# Altium PCB base.PcbDoc
Units mm, origin at the board's own origin, x right, y up, seen from the top; angles counter-clockwise.
Board outline 35.56 x 44.45 mm, 4 copper layers (Top, GND, VCC, Bottom), stack 0.93 mm thick; 60 components, 99 nets, 307 pads, 179 vias.
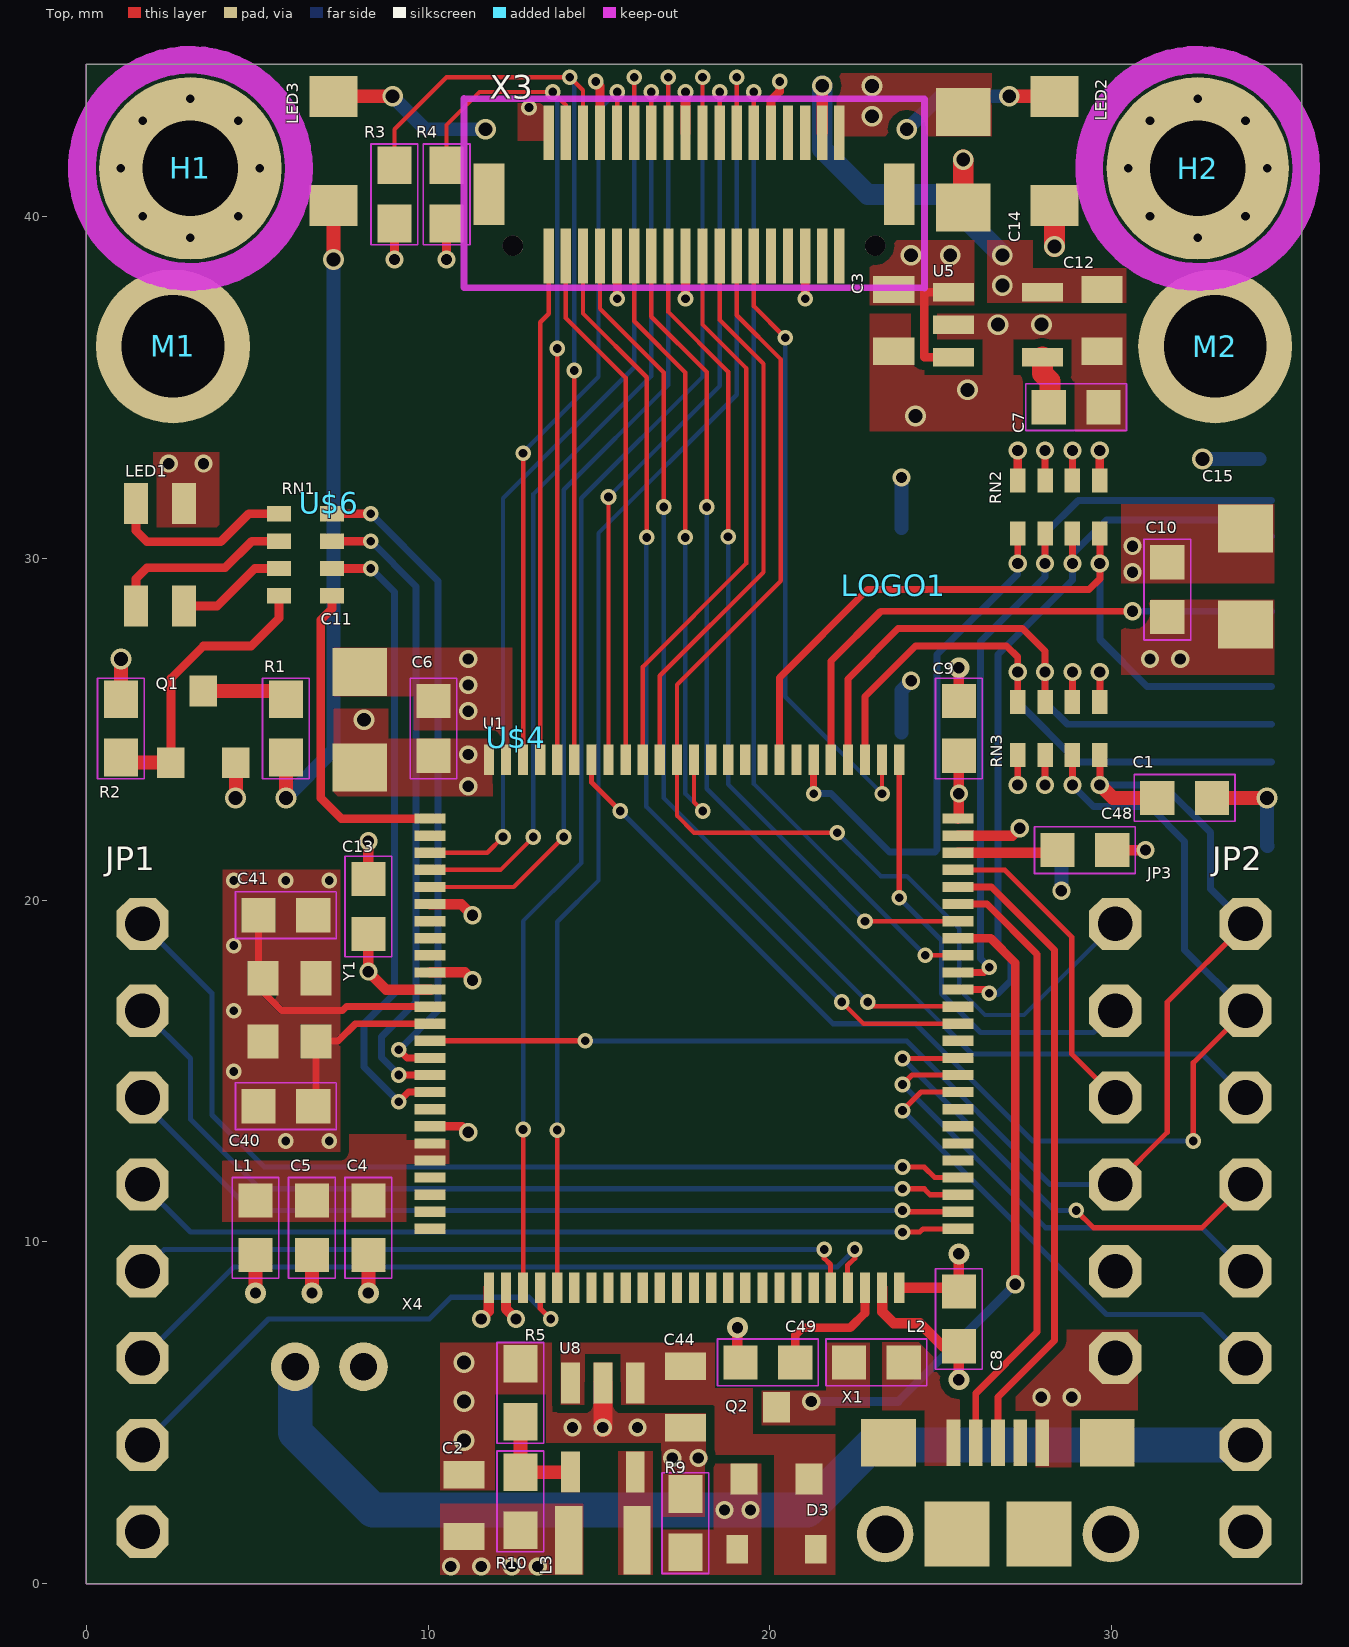
[diagram p0: Top view]
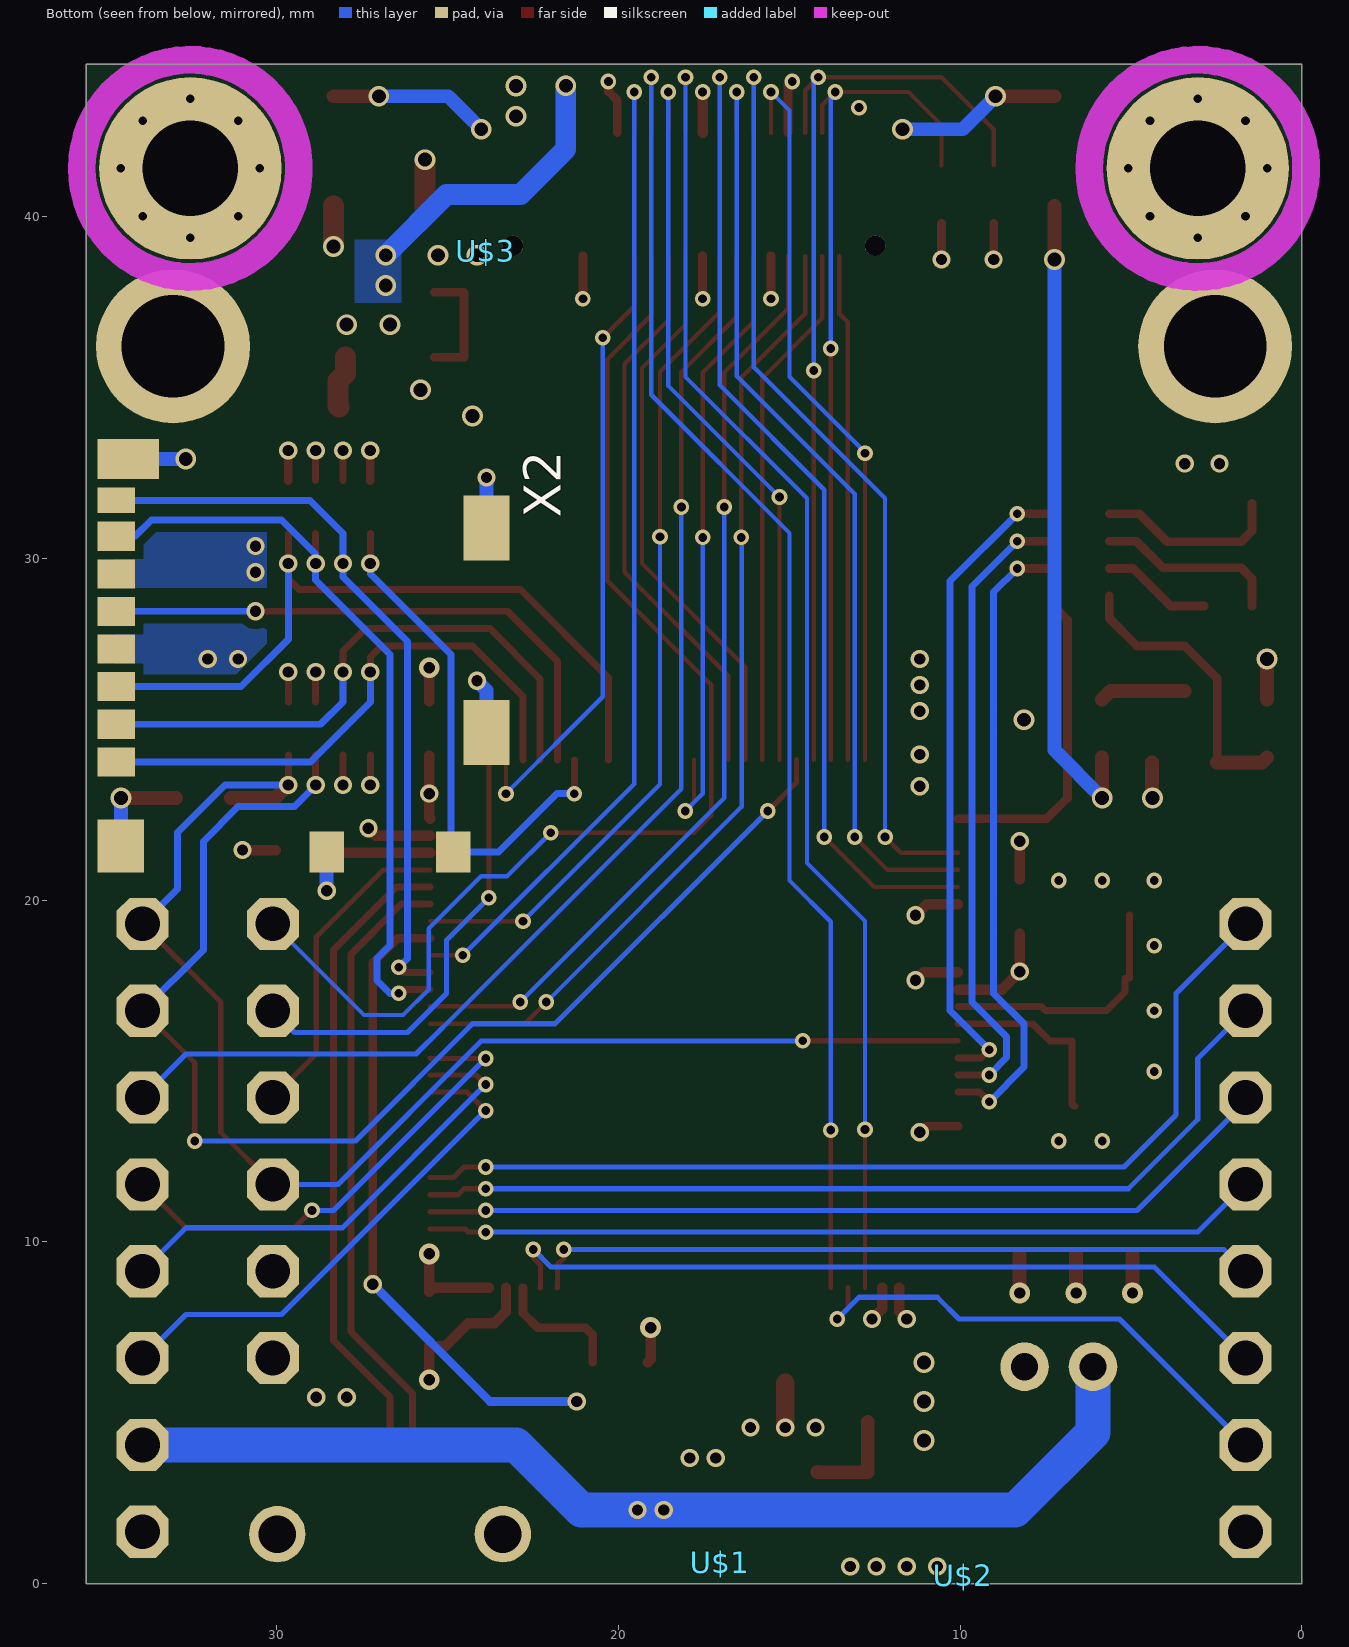
[diagram p1: Bottom view, seen from below]
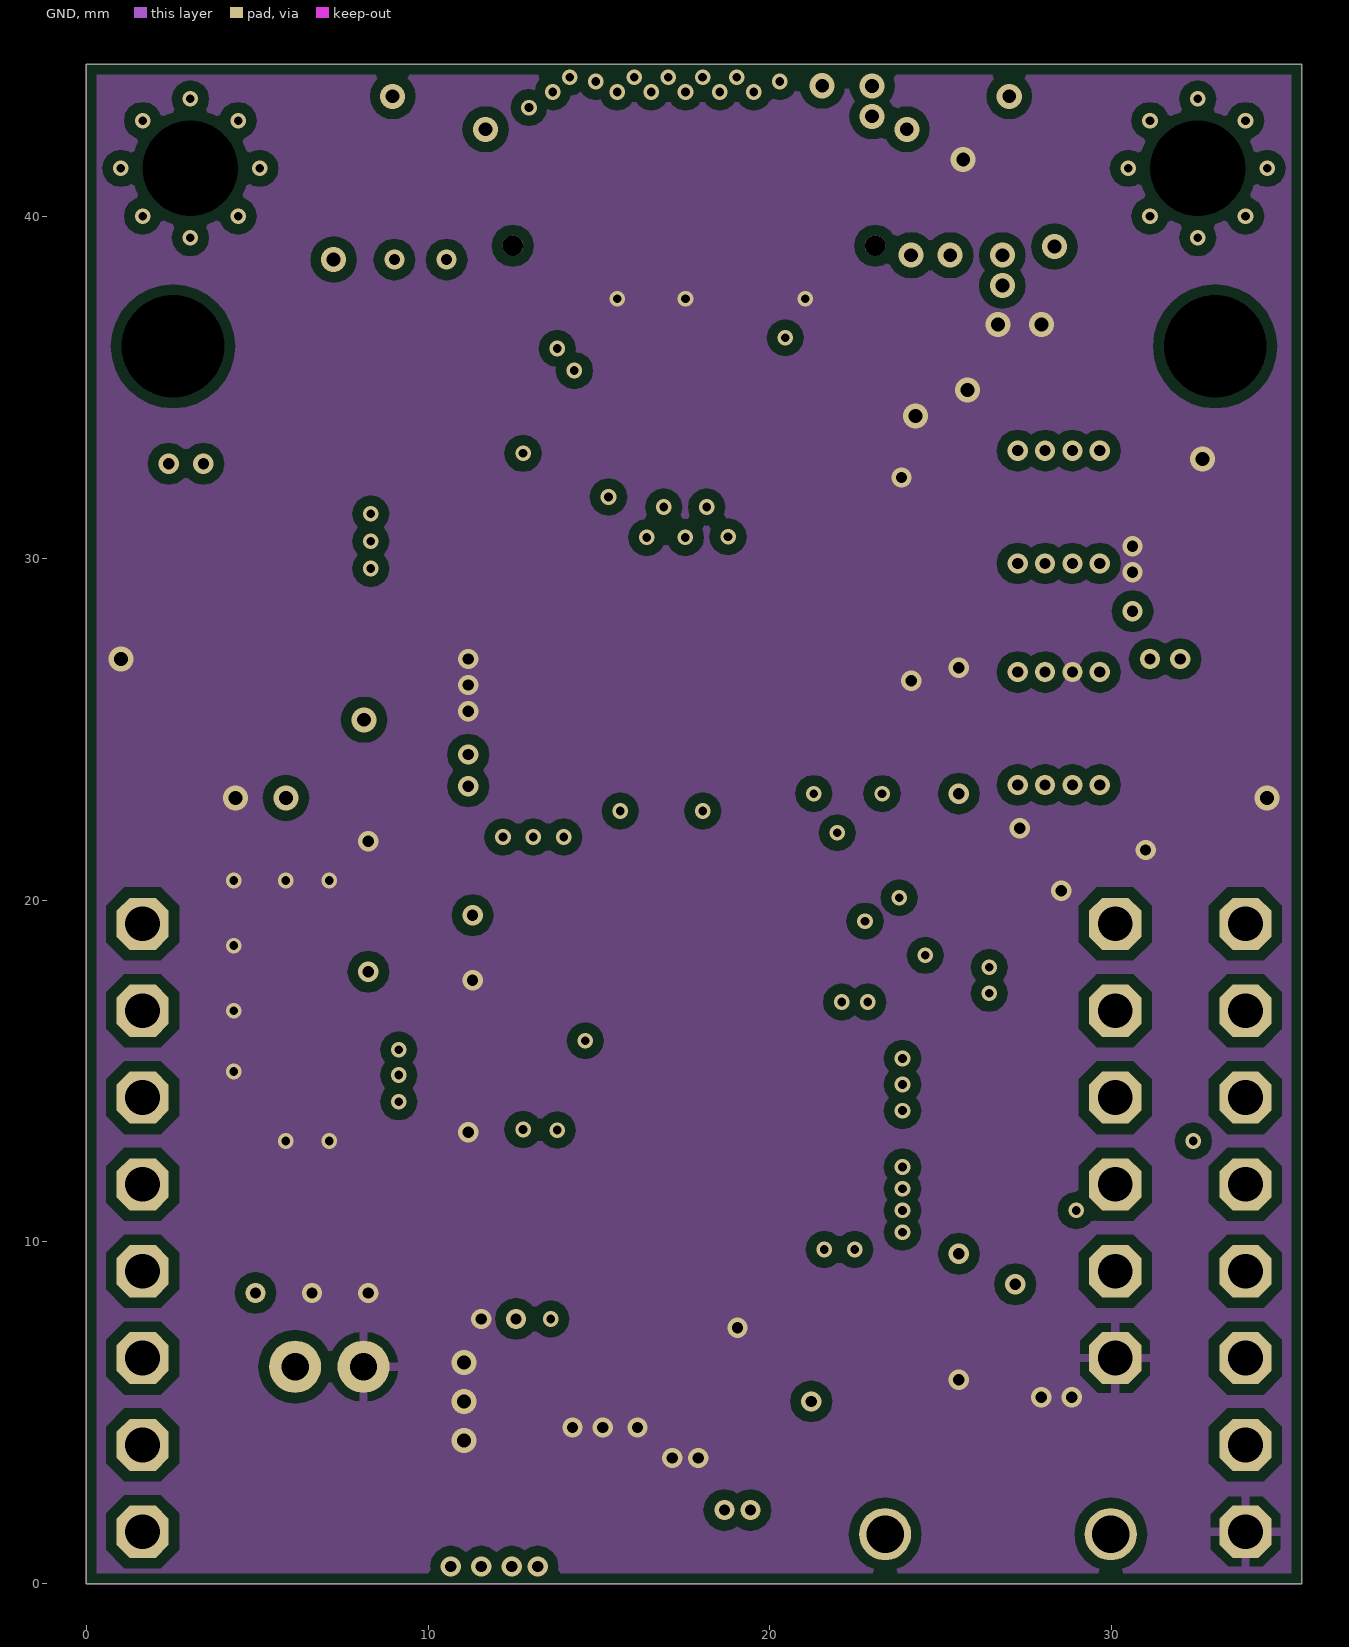
[diagram p2: GND]
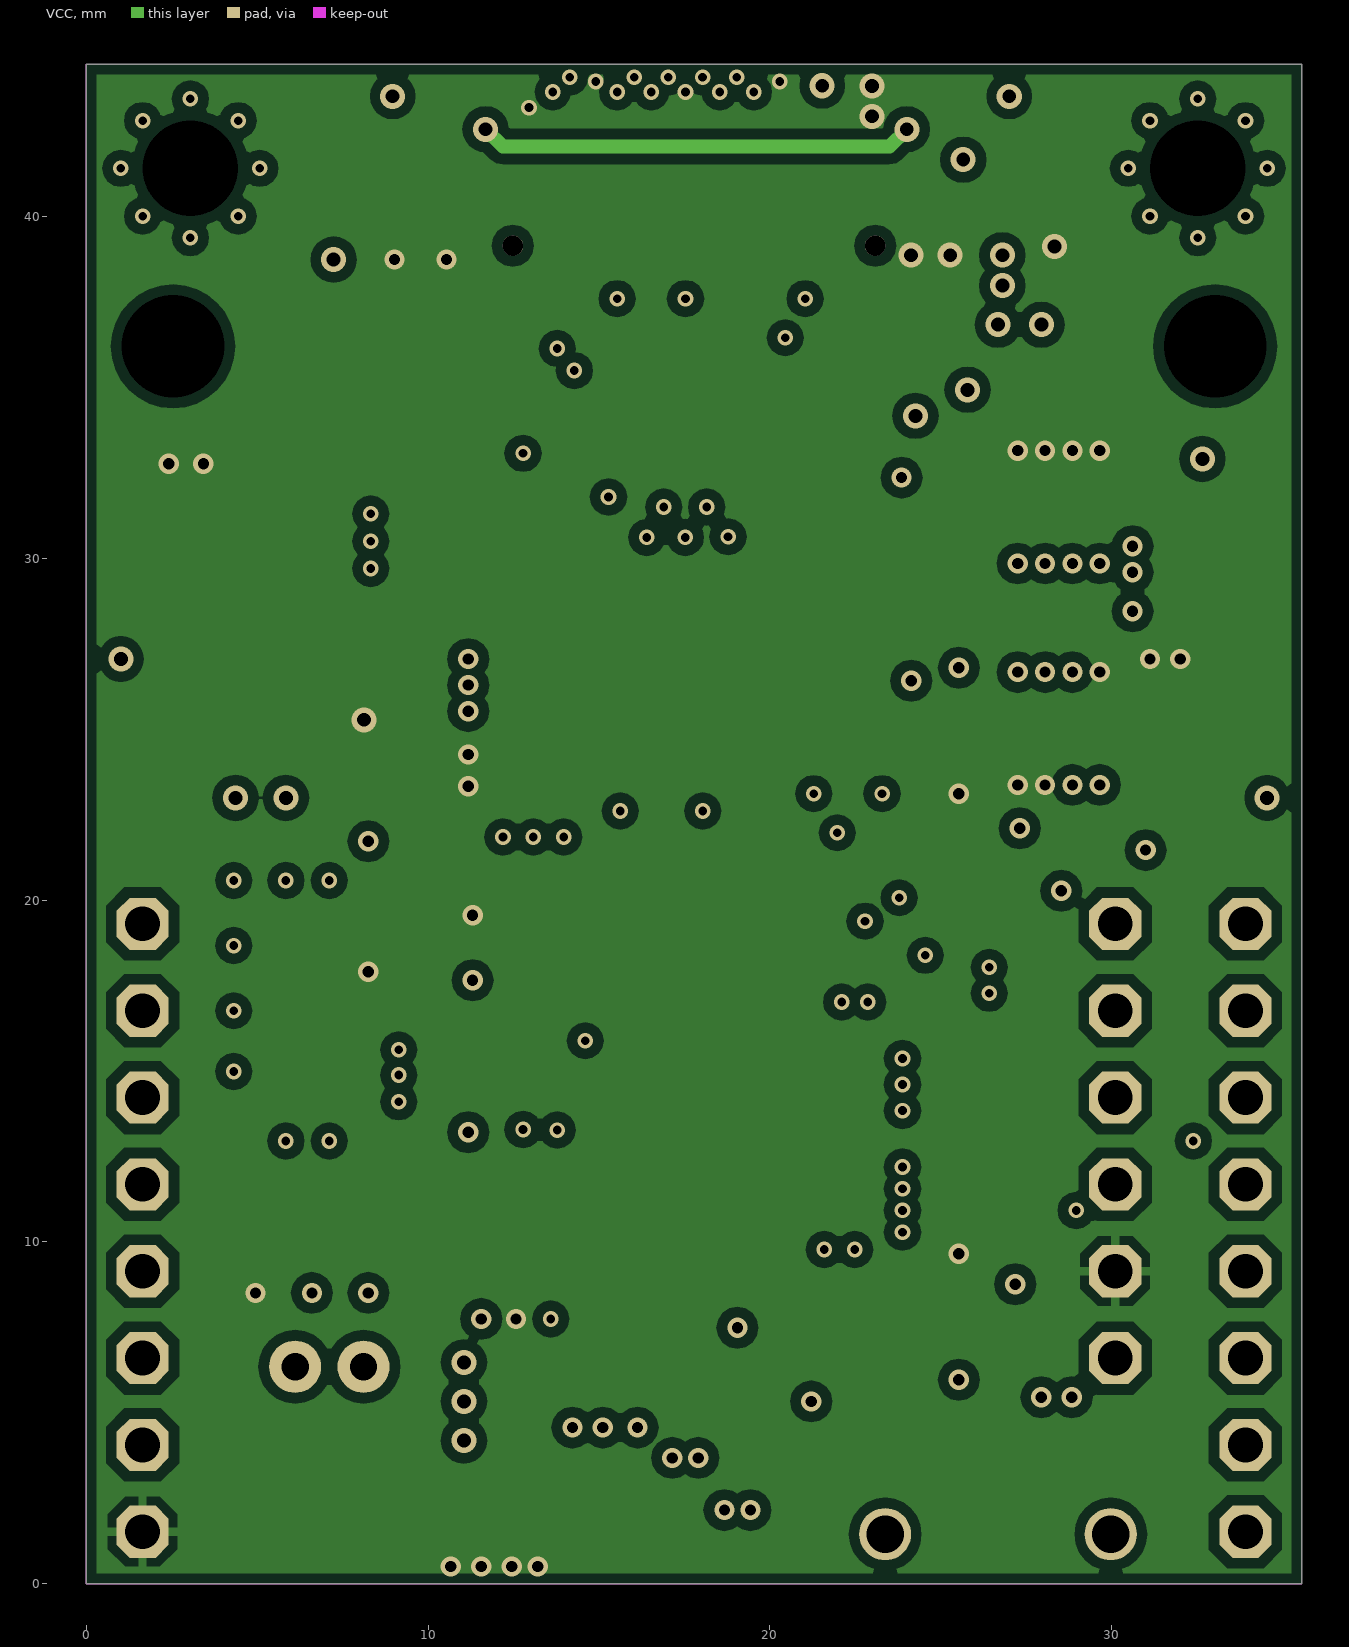
[diagram p3: VCC]

## Layer stack, top to bottom
Top Solder: solder mask 0.0102, Solder Resist, Dk 3.5
Top: signal copper 0.035
Dielectric 1: dielectric 0.32, FR-4, Dk 4.8
GND: signal copper 0.035
Dielectric 3: core 0.15, FR-4, Dk 4.8
VCC: signal copper 0.035
Dielectric2: dielectric 0.32, FR-4, Dk 4.8
Bottom: signal copper 0.035
Bottom Solder: solder mask 0.0102, Solder Resist, Dk 3.5

## Board outline
0,44.45 0,0 35.56,0 35.56,44.45

## Design rules (kind name [scope] priority, off if disabled: settings)
BoardOutlineClearance mdCopperDimension [All] p1: gap=0.254 ignorepadtopadclearanceinfootprint=FALSE except(0: Arc-SplitContinuation Track-SplitContinuation SMDPad-SplitContinuation THPad-SplitContinuation Via-SplitContinuation Fill-SplitContinuation Poly-SplitContinuation Region-SplitContinuation Text-SplitContinuation; 0.127: Poly-OutlineEdge Poly-CavityEdge Poly-CutoutEdge Poly-SplitBarrior)
Clearance Clearance_for_PolygonClass_Isolate_0 [InPolygonClass('Isolate_0')] p1: gap=0 ignorepadtopadclearanceinfootprint=FALSE except(0.127: Poly-Hole)
Clearance Clearance_for_PolygonClass_Isolate_12 [InPolygonClass('Isolate_12')] p2: gap=0 ignorepadtopadclearanceinfootprint=FALSE except(0.127: Poly-Hole; 0.305: Arc-Poly Track-Poly SMDPad-Poly THPad-Poly Via-Poly Fill-Poly Poly-Poly Poly-Region Poly-Text)
Clearance Clearance_for_PolygonClass_Isolate_10 [InPolygonClass('Isolate_10')] p3: gap=0 ignorepadtopadclearanceinfootprint=FALSE except(0.127: Poly-Hole; 0.254: Arc-Poly Track-Poly SMDPad-Poly THPad-Poly Via-Poly Fill-Poly Poly-Poly Poly-Region Poly-Text)
Clearance "Clearance (Same Net)" [All] p4: gap=0.127 ignorepadtopadclearanceinfootprint=FALSE
Clearance [All] p5: gap=0.127 ignorepadtopadclearanceinfootprint=FALSE
HoleSize [All] p1: absolutevalues=TRUE maxlimit=2540 minlimit=0.254 maxpercent=80.000 minpercent=20.000
HoleToHoleClearance mdDrill [All] p1: gap=0.254 allowstackedmicrovias=TRUE
PasteMaskExpansion Expansion_SMDPaste_OFF [InPadClass('SMDPaste_OFF')] p1: expansion=0
PasteMaskExpansion mlMinCreamFrame [All] p2: expansion=0
PolygonConnect PolygonConnect_For_PolygonThermal_ON_Width100000_Gap100000 [InPolygonClass('PolygonThermal_ON_Width100000_Gap100000') vs Not IsVia] p1: connectstyle=Relief reliefconductorwidth=0.254 reliefentries=4 polygonreliefangle="90 Angle" airgapwidth=0.254
PolygonConnect PolygonConnect_For_PolygonThermal_OFF [InPolygonClass('PolygonThermal_OFF')] p2: connectstyle=Direct reliefconductorwidth=0.254 reliefentries=4 polygonreliefangle="90 Angle" airgapwidth=0.254
PolygonConnect ThermalVias [IsVia] p3: connectstyle=Direct reliefconductorwidth=0.254 reliefentries=4 polygonreliefangle="90 Angle" airgapwidth=0.254
PolygonConnect [All] p4: connectstyle=Relief reliefconductorwidth=0.254 reliefentries=4 polygonreliefangle="90 Angle" airgapwidth=0.254
RoutingVias [All] p1: holewidth=0.254 width=0.457 viastyle="Through Hole" minholewidth=0.254 minwidth=0.457 maxholewidth=2.54 maxwidth=2.54
SolderMaskExpansion mlMinStopFrame [All] p1: expansion=0.051
Width [All] p1: maxlimit=254 minlimit=0.127 preferedwidth=0.127
27 further rules are at their usual default settings.

## Classes and differential pairs
polygon class PolygonThermal_ON_Width100000_Gap100000: Polygon_1_Net_GND Polygon_1_Net_VCC
polygon class PolygonThermal_OFF: Polygon_1_Net_N$7 Polygon_1_Net_N$12 Polygon_1_Net_RAW Polygon_1_Net_SW Polygon_1_Net_VBUS Polygon_1_Net_VDDA Polygon_1_Net_VIN Polygon_2_Net_GND Polygon_2_Net_VCC Polygon_2_Net_VDDA Polygon_3_Net_GND Polygon_3_Net_VCC Polygon_4_Net_GND Polygon_4_Net_VCC Polygon_5_Net_GND Polygon_5_Net_VCC Polygon_6_Net_GND Polygon_6_Net_VCC Polygon_7_Net_GND Polygon_7_Net_VCC Polygon_8_Net_GND Polygon_8_Net_VCC Polygon_9_Net_VCC
polygon class Isolate_0: Polygon_4_Net_GND
polygon class Isolate_12: Polygon_1_Net_GND Polygon_1_Net_VCC
polygon class Isolate_10: Polygon_1_Net_N$7 Polygon_1_Net_N$12 Polygon_1_Net_RAW Polygon_1_Net_SW Polygon_1_Net_VBUS Polygon_1_Net_VDDA Polygon_1_Net_VIN Polygon_2_Net_GND Polygon_2_Net_VCC Polygon_2_Net_VDDA Polygon_3_Net_GND Polygon_3_Net_VCC Polygon_4_Net_VCC Polygon_5_Net_GND Polygon_5_Net_VCC Polygon_6_Net_GND Polygon_6_Net_VCC Polygon_7_Net_GND Polygon_7_Net_VCC Polygon_8_Net_GND Polygon_8_Net_VCC Polygon_9_Net_VCC
pad class SMDPaste_OFF: X3-1 X3-2 X3-3 X3-4 X3-5 X3-6 X3-7 X3-8 X3-9 X3-10 X3-11 X3-12 X3-13 X3-14 X3-15 X3-16 X3-17 X3-18 X3-19 X3-20 X3-21 X3-22 X3-23 X3-24 X3-25 X3-26 X3-27 X3-28 X3-29 X3-30 X3-31 X3-32 X3-33 X3-34 X3-35 X3-36

## Components (designator, comment, footprint, x,y, rotation, side; value= is the part's Value field where it differs from the comment)
C1 "1uF" 0603-CAP 32.131,22.987 r0 top
C2 "22uF" 0805 11.049,2.286 r270 top
C3 "10uF" 0805 23.622,36.957 r90 top
C4 "1uF" 0603-CAP 8.255,10.414 r270 top
C5 "0.1uF" 0603-CAP 6.604,10.414 r270 top
C6 "0.1uF" 0603-CAP 10.16,25.019 r90 top
C7 "0.1uF" 0603-CAP 28.956,34.417 r0 top
C8 "0.1uF" 0603-CAP 25.527,7.747 r270 top
C9 "0.1uF" 0603-CAP 25.527,25.019 r90 top
C10 "0.1uF" 0603-CAP 31.623,29.083 r90 top
C11 "47uF" EIA3216 8.001,25.273 r270 top
C12 "10uF" 0805 29.718,36.957 r90 top
C13 "0.1uF" 0603-CAP 8.255,19.812 r90 top
C14 "47uF" EIA3216 25.654,41.656 r90 top
C15 "47uF" EIA3216 33.909,29.464 r270 top
C40 "12pF" 0603-CAP 5.842,13.97 r0 top
C41 "12pF" 0603-CAP 5.842,19.558 r180 top
C44 "22uF" 0805 17.526,5.461 r90 top
C48 "2.2uF" 0603-CAP 29.21,21.463 r0 top
C49 "2.2uF" 0603-CAP 19.939,6.477 r180 top
D3 "SDM2U20SD3-7" SOD-323 20.193,1.016 r180 top
H1 "" 2,8-PAD 3.048,41.402 r90 top
H2 "" 2,8-PAD 32.512,41.402 r270 top
JP1 "" 1X08 1.651,10.414 r270 top
JP2 "" 1X08 33.909,10.414 r270 top
JP3 "" 1X06 30.099,12.954 r270 top
L1 "MPZ1608S181ATAH0" 0603 4.953,10.414 r270 top
L2 "MPZ1608S181ATAH0" 0603 23.114,6.477 r180 top
L3 "4.7uH/1.4A" 1007 15.113,1.27 r270 top
LED1 "LED-TRICOLOR" LED-TRICOLOR-SMD-MF 2.159,30.099 r0 top
LED2 "VSMY12850" LED-1206 28.321,41.91 r90 top
LED3 "VSMY12850" LED-1206 7.239,41.91 r270 top
LOGO1 "" OSHW_FILLX100_NOTEXT 23.622,29.21 r0 top
M1 "" 9774030151R 2.54,36.195 r0 top
M2 "" 9774030151R 33.02,36.195 r0 top
Q1 "BSS138" SOT23-3 3.429,25.019 r0 top
Q2 "Si2301BDS" SOT23-3 20.193,4.064 r0 top
R1 "10R" 0603-RES 5.842,25.019 r270 top
R2 "10K" 0603-RES 1.016,25.019 r270 top
R3 "4.7K" 0603-RES 9.017,40.64 r90 top
R4 "4.7K" 0603-RES 10.541,40.64 r90 top
R5 "100K" 0603-RES 12.7,5.588 r270 top
R9 "10K" 0603-RES 17.526,1.778 r270 top
R10 "453K" 0603-RES 12.7,2.413 r270 top
RN1 "" EXBV8V 6.413,30.099 r270 top
RN2 "10K" EXBV8V 28.448,31.496 r180 top
RN3 "10K" EXBV8V 28.448,25.019 r0 top
U1 "STM32H743VIT6" LQFP100 17.78,16.383 r0 top
U5 "TPS731XX" SOT23-5 26.67,36.83 r270 top
U8 "PAM2305AABADJ" TSOT25 15.113,4.572 r180 top
U$1 "" WEEE 17.018,0.635 r180 bottom
U$2 "" ROHS 9.906,0.254 r180 bottom
U$3 "" OMV-LOGO 23.876,38.989 r180 bottom
U$4 "" OMV-LOGO-SMALL 12.573,24.765 r0 top
U$6 "" OMV-LOGO-BIG 7.112,31.623 r0 top
X1 "" MICROUSB-RIGHT 26.67,2.857 r0 top
X2 "USD-1040310811" 1040310811 34.925,33.147 r270 bottom
X3 "" DF12-36-DS 17.78,40.64 r0 top
X4 "" JST-PH-2-THM-RA 7.112,6.35 r180 top
Y1 "7S-12.000MAHE-T" CRYSTAL-2.5X2.0 5.969,16.764 r270 top

## Footprints (in the part's own frame and the unit in brackets; to place one, negate y for a bottom-side part, rotate by r counter-clockwise, add the part's x,y. Pads: shape width x height; smd on the part's side, far side on the other; paste and mask are expansions set on the pad)
1X06 [mil] "1X06"
  oct 60x60 hole 40: 1(-250,0) 2(-150,0) 3(-50,0) 4(50,0) 5(150,0) 6(250,0)
  body extent -280,-30 280,30, height 150
1X08 [mil] "1X08"
  oct 60x60 hole 40: 1(-350,0) 2(-250,0) 3(-150,0) 4(-50,0) 5(50,0) 6(150,0) 7(250,0) 8(350,0)
  body extent -380,-30 380,30, height 150
2,8-PAD [mil] "2,8-PAD"
  round 210 / inner round 60 / far side round 210 hole 110.24: B2,8(0,0)
  Top keep-out circle w32: c0,0 r125
  Top keep-out circle w32: c0,0 r125
  Bottom keep-out circle w32: c0,0 r125
  body extent -141,-141 141,141, height 150
0603 [mm] "0603"
  rect 1x1 smd: 1(-0.8,0) 2(0.8,0)
  Top keep-out lines w0.051: 1.473,-0.683 -1.473,-0.683 -1.473,0.683 1.473,0.683 1.473,-0.683
  body extent -1.5,-0.71 1.5,0.71, height 3.81
0603-CAP [mm] "0603-CAP"
  rect 1x1 smd: 1(-0.8,0) 2(0.8,0)
  Top keep-out lines w0.051: -1.473,-0.683 1.473,-0.683 1.473,0.683 -1.473,0.683 -1.473,-0.683
  body extent -1.5,-0.71 1.5,0.71, height 3.81
0603-RES [mm] "0603-RES"
  rect 1.1x1 smd: 1(-0.85,0) 2(0.85,0)
  Top keep-out lines w0.051: 1.473,-0.683 -1.473,-0.683 -1.473,0.683 1.473,0.683 1.473,-0.683
  body extent -1.5,-0.71 1.5,0.71, height 3.81
0805 [mil] "0805"
  rect 31.5x47.24 smd: 1(-35.43,0) 2(35.43,0)
  body extent -51,-24 51,24, height 50
1007 [mm] "1007"
  rect 2x0.8 smd: 1(0,1) 2(0,-1)
  body extent -1,-1.4 1,1.4, height 3.81
1040310811 [mm] "1040310811"
  rect 1.2x1 smd: CD$1(11.74,10.1) CD$2(11.74,6.4)
  rect 1.55x1.35 smd: G$1(11.565,0.375)
  rect 1.17x1.8 smd: G$2(0.245,0.6)
  rect 1.9x1.35 smd: G$3(2.27,11.075) G$4(8.24,11.075)
  rect 0.85x1.1 smd: P$1(9.105,0.25) P$2(8.005,0.25) P$3(6.905,0.25) P$4(5.805,0.25) P$5(4.705,0.25) P$6(3.605,0.25) P$7(2.505,0.25)
  rect 0.75x1.1 smd: P$8(1.455,0.25)
  body extent -0.34,-0.3 12.34,11.75, height 1.27
9774030151R [mm] "9774030151R"
  round 4.5 / inner round 1.524 / far side round 4.5 hole 3: P$1(0,0)
  body extent -1.51,-1.51 1.51,1.51, height 1.27
CRYSTAL-2.5X2.0 [mm] "CRYSTAL-2.5X2.0"
  rect 1x0.9 smd: 1(-0.95,-0.8) 2(0.9,-0.8) 3(0.9,0.75) 4(-0.95,0.75)
  body extent -1.45,-1.25 1.4,1.2, height 1.27
DF12-36-DS [mm] "DF12-36-DS"
  rect 0.3x1.6 smd paste+0: 1(4.25,-1.8) 2(4.25,1.8) 3(3.75,-1.8) 4(3.75,1.8) 5(3.25,-1.8) 6(3.25,1.8) 7(2.75,-1.8) 8(2.75,1.8) 9(2.25,-1.8) 10(2.25,1.8) 11(1.75,-1.8) 12(1.75,1.8) 13(1.25,-1.8) 14(1.25,1.8) 15(0.75,-1.8) 16(0.75,1.8) 17(0.25,-1.8) 18(0.25,1.8) 19(-0.25,-1.8) 20(-0.25,1.8) 21(-0.75,-1.8) 22(-0.75,1.8) 23(-1.25,-1.8) 24(-1.25,1.8) 25(-1.75,-1.8) 26(-1.75,1.8) 27(-2.25,-1.8) 28(-2.25,1.8) 29(-2.75,-1.8) 30(-2.75,1.8) 31(-3.25,-1.8) 32(-3.25,1.8) 33(-3.75,-1.8) 34(-3.75,1.8) 35(-4.25,-1.8) 36(-4.25,1.8)